# Altium PCB SerialKM.PcbDoc
Units mil, origin at the board's own origin, x right, y up, seen from the top; angles counter-clockwise.
Board outline 1140 x 525 mil, 4 copper layers (Top Layer, Layer 2, Layer 3, Bottom Layer), stack 62.667 mil thick; 41 components, 36 nets, 209 pads, 105 vias.
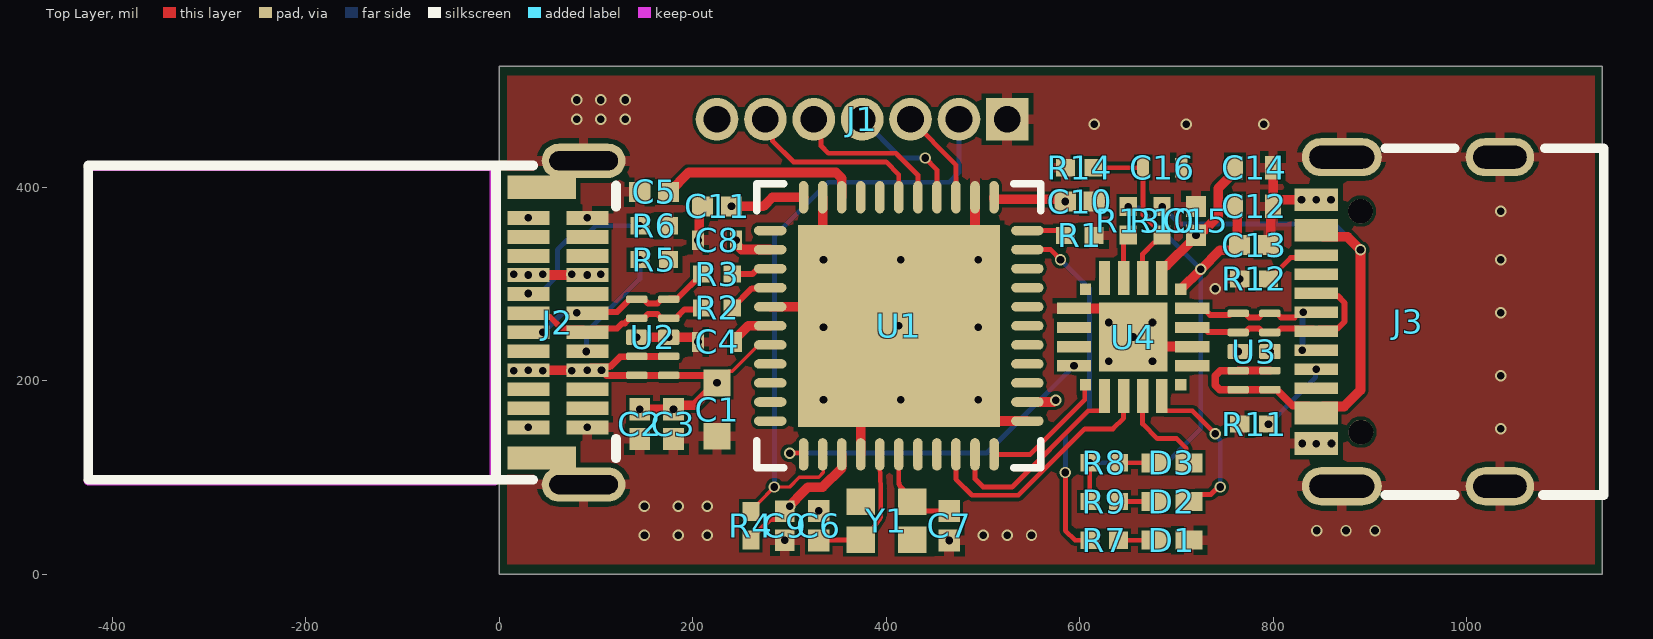
[diagram p0: Top Layer view]
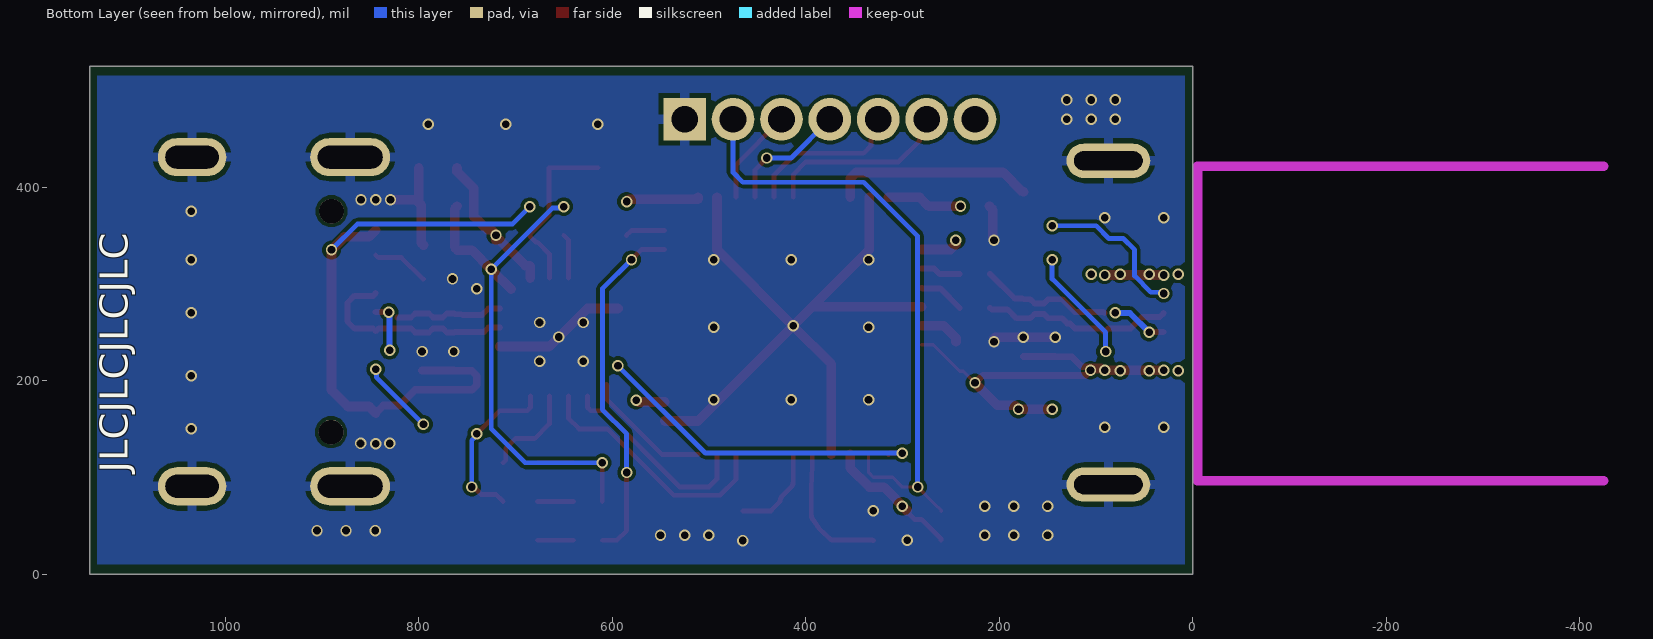
[diagram p1: Bottom Layer view, seen from below]
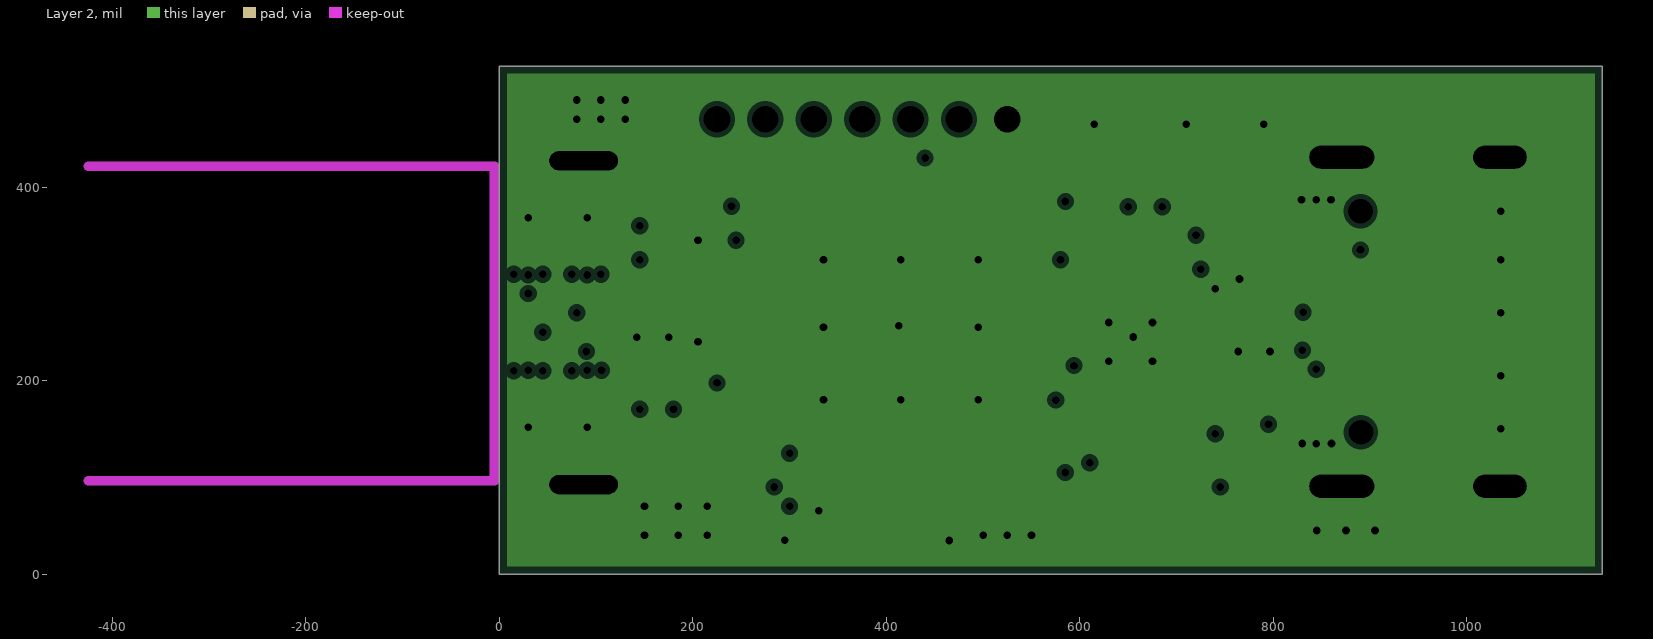
[diagram p2: Layer 2, clearances drawn from the general rule]
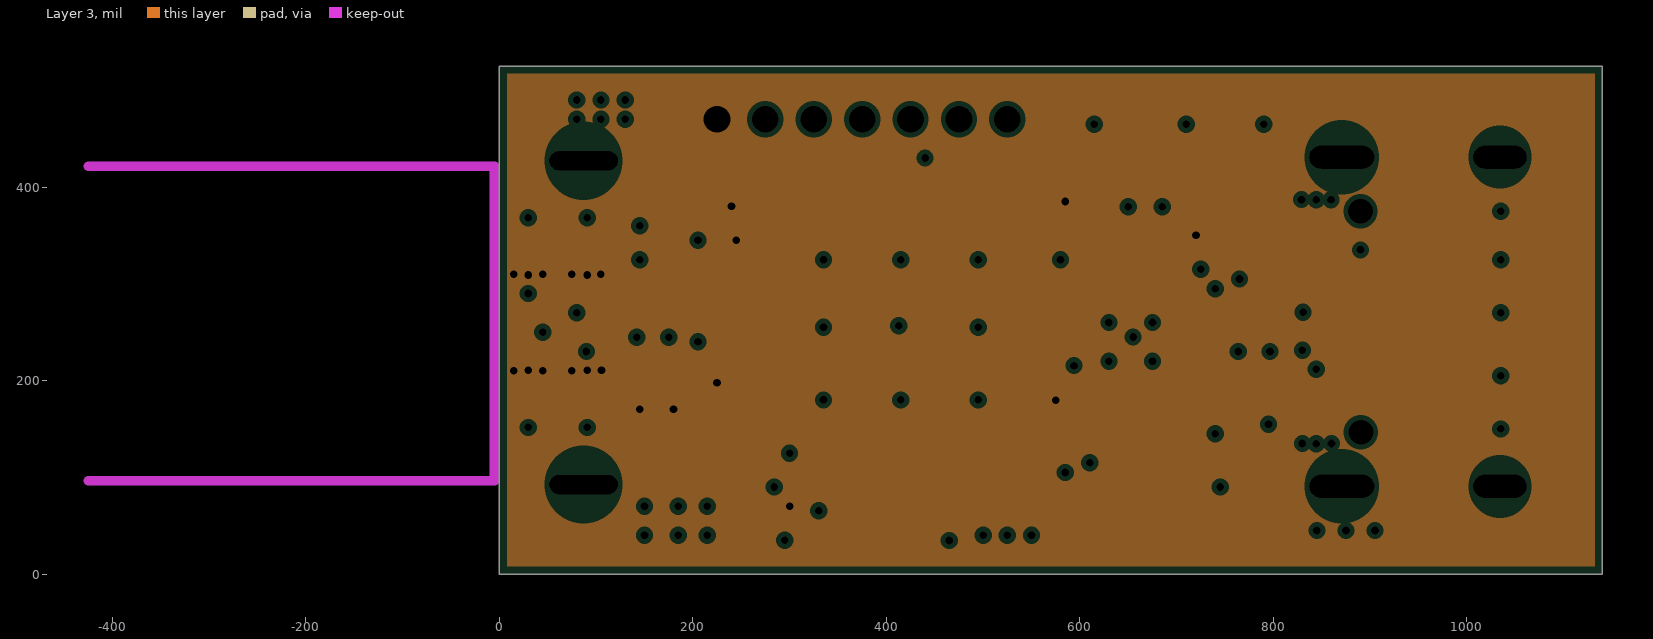
[diagram p3: Layer 3, clearances drawn from the general rule]

## Layer stack, top to bottom
Top Solder: solder mask 1.2, Solder Resist, Dk 3.8
Top Layer: signal copper 1.4
Dielectric 2: prepreg 8.28, PP-022, Dk 4.5
Layer 2: plane copper 0.689, net GND
Dielectric 1: dielectric 41.929, FR-4, Dk 4.6
Layer 3: plane copper 0.689, net VCC
Dielectric 3: prepreg 8.28, PP-022, Dk 4.5
Bottom Layer: signal copper 1.4
Bottom Solder: solder mask 1.2, Solder Resist, Dk 3.8

## Board outline
0,0 1140,0 1140,525 0,525

## Design rules (kind name [scope] priority, off if disabled: settings)
BoardOutlineClearance BoardOutlineClearance_Overlay [OnLayer('Top Overlay')] p1: gap=0 ignorepadtopadclearanceinfootprint=FALSE
BoardOutlineClearance [All] p2: gap=7.87 ignorepadtopadclearanceinfootprint=FALSE except(0: Text-OutlineEdge Text-CavityEdge Text-CutoutEdge Text-SplitBarrior Text-SplitContinuation)
Clearance [All] p1: gap=3.5 ignorepadtopadclearanceinfootprint=FALSE
DiffPairsRouting DiffPairsRouting_USB [InDifferentialPairClass('USB')] p1: maxlimit=5 minlimit=5 mostfreqgap=5 toplayer_minwidth=6.14 toplayer_maxwidth=6.14 toplayer_prefwidth=6.14 bottomlayer_minwidth=6.14 bottomlayer_maxwidth=6.14 bottomlayer_prefwidth=6.14 impedanceprofiledriven=TRUE impedanceprofileid={8E729D26-5968-4055-BA3C-BBBE10C1534A} impedanceprofilevalue=90.000000 maxuncoupledlength=500
DiffPairsRouting [All] p2: maxlimit=10 minlimit=3.5 mostfreqgap=10 toplayer_minwidth=3.5 toplayer_maxwidth=15 toplayer_prefwidth=15 bottomlayer_minwidth=3.5 bottomlayer_maxwidth=15 bottomlayer_prefwidth=15 maxuncoupledlength=500
HoleSize [All] p1: absolutevalues=TRUE maxlimit=100 minlimit=7.87 maxpercent=80.000 minpercent=20.000
HoleToHoleClearance [All] p1: gap=4 allowstackedmicrovias=TRUE
MaxMinImpedance "Schematic Impedance Constraint" [InDifferentialPairClass('USB')] p1: minimum=89.00 maximum=91.00
MinimumSolderMaskSliver [All] p1: minsoldermaskwidth=0
PlaneClearance [All] p1: clearance=5
PlaneConnect PlaneConnect_Via [IsVia] p1: planeconnectstyle=Direct reliefexpansion=20 reliefentries=4 reliefconductorwidth=10 reliefairgap=10
PlaneConnect [All] p2: planeconnectstyle=Relief reliefexpansion=20 reliefentries=4 reliefconductorwidth=10 reliefairgap=10
PolygonConnect PolygonConnect_Via [IsVia] p1: connectstyle=Direct reliefconductorwidth=10 reliefentries=4 polygonreliefangle="90 Angle" airgapwidth=10
PolygonConnect [All] p2: connectstyle=Relief reliefconductorwidth=10 reliefentries=4 polygonreliefangle="90 Angle" airgapwidth=5
RoutingVias [All] p1: holewidth=7.87 width=11.81 viastyle="Through Hole" minholewidth=7.87 minwidth=11.81 maxholewidth=28 maxwidth=50
SilkToSilkClearance [All] p1: silktosilkclearance=6
SilkToSolderMaskClearance [IsPad] p1: minsilkscreentomaskgap=3 clearancetoexposedcopper=TRUE
SolderMaskExpansion SolderMaskExpansion_Vias [IsVia] p1: expansion=4 istentingtop=TRUE
SolderMaskExpansion [All] p2: expansion=1.5 istentingtop=FALSE
Width [All] p1: maxlimit=1000 minlimit=3.5 preferedwidth=4
22 further rules are at their usual default settings.

## Classes and differential pairs
differential pair class USB: HOST_USB TGT_USB TGT_USB2
differential pair TGT_USB: +TGT_USB_P -TGT_USB_N
differential pair TGT_USB2: +TGT_USB2_P -TGT_USB2_N
differential pair HOST_USB: +HOST_USB_P -HOST_USB_N

## Components (designator, comment, footprint, x,y, rotation, side; value= is the part's Value field where it differs from the comment)
C1 "10uF 25V" FP-C1608-080-MFG 225,170 r90 top
C2 "22nF 50V" CAPC1005X56X25LL10T15 145,155 r270 top
C3 "22nF 50V" CAPC1005X56X25LL10T15 180,155 r270 top
C4 "1uF 25V" CAPC1005X55X10LL05 225,240 r0 top
C5 "100nF 25V" CAPC1005X55X30LL05T10 159.96,395 r0 top
C6 "12pF 50V" CAPC1005X61X26LL10T16 330,50 r270 top
C7 "12pF 50V" CAPC1005X61X26LL10T16 465,50 r90 top
C8 "1uF 25V" CAPC1005X55X10LL05 225,345 r180 top
C9 "100nF 25V" CAPC1005X55X30LL05T10 295,50 r90 top
C10 "100nF 25V" CAPC1005X55X30LL05T10 600,385 r180 top
C11 "100nF 25V" CAPC1005X55X30LL05T10 225,380 r0 top
C12 "4.7uF 10V" CAPC1005X70X10LL20T00 780,380 r0 top
C13 "100nF 25V" CAPC1005X55X30LL05T10 780,340 r0 top
C14 "4.7uF 10V" CAPC1005X70X10LL20T00 780,420 r180 top
C15 "100nF 25V" CAPC1005X55X30LL05T10 720,365 r270 top
C16 "1uF 25V" CAPC1005X55X10LL05 685,420 r180 top
D1 "GREEN" FP-APHHS1005CGCK-MFG 695,35 r180 top
D2 "BLUE" FP-APHHS1005CGCK-MFG 695,75 r180 top
D3 "RED" FP-APHHS1005CGCK-MFG 695,115 r180 top
J1 "NC" FP-GRPB071VWVN-RC-MFG 375,470 r180 top
J2 "TYPEC-951-ARP24" TYPEC-951-ARP24 87.09,427.16 r270 top locked
J3 "TYPEC-304-ACP16" TYPEC-304-ACP16 1016.7,264.37 r270 top locked
R1 "10KΩ" RESC1005X40X25LL05T10 600,350 r0 top
R2 "22Ω" RESC1005X40X25LL05T05 225,275 r0 top
R3 "22Ω" RESC1005X40X25LL05T05 225,310 r0 top
R4 "10KΩ" RESC1005X40X25LL05T10 260,50 r270 top
R5 "5.1KΩ" RESC1005X40X25LL05T10 160,325 r0 top
R6 "5.1KΩ" RESC1005X40X25LL05T10 160,360 r0 top
R7 "1KΩ" RESC1005X40X25LL05T10 625,35 r0 top
R8 "1KΩ" RESC1005X40X25LL05T10 625,115 r0 top
R9 "1KΩ" RESC1005X40X25LL05T10 625,75 r180 top
R10 "22KΩ" RESC1005X40X25LL05T10 685,365 r270 top
R11 "5.1KΩ" RESC1005X40X25LL05T10 780,155 r0 top
R12 "5.1KΩ" RESC1005X40X25LL05T10 780,305 r0 top
R13 "1KΩ" RESC1005X40X25LL05T10 650,365 r270 top
R14 "47KΩ" RESC1005X40X25LL05T10 600,420 r0 top
U1 "ATmega32U4-MU" 44PW_L 412.87,256.57 r0 top locked
U2 "TPD4E05U06QDQAR" FP-DQA0010A-MFG 158.56,244.68 r0 top value=0.5pF
U3 "TPD4E05U06QDQAR" FP-DQA0010A-MFG 780,230 r180 top value=0.5pF
U4 "CP2102N-A02-GQFN20R" FP-CP2102N-A02-GQFN20R-MFG 655,245 r180 top locked
Y1 "16MHz 12pF" FP-XRCGB-MFG 400,55 r0 top

## Footprints (in the part's own frame and the unit in brackets; to place one, negate y for a bottom-side part, rotate by r counter-clockwise, add the part's x,y. Pads: shape width x height; smd on the part's side, far side on the other; paste and mask are expansions set on the pad)
44PW_L [mm] "QFN, 44-Leads, Body 7x7mm, Pitch 0.5mm, Thermal Pad 5.3x5.3mm, IPC High Density"
  oval 0.85x0.25 smd: 1(-3.375,2.5) 2(-3.375,2) 3(-3.375,1.5) 4(-3.375,1) 5(-3.375,0.5) 6(-3.375,0) 7(-3.375,-0.5) 8(-3.375,-1) 9(-3.375,-1.5) 10(-3.375,-2) 11(-3.375,-2.5) 23(3.375,-2.5) 24(3.375,-2) 25(3.375,-1.5) 26(3.375,-1) 27(3.375,-0.5) 28(3.375,0) 29(3.375,0.5) 30(3.375,1) 31(3.375,1.5) 32(3.375,2) 33(3.375,2.5)
  oval 0.25x0.85 smd: 12(-2.5,-3.375) 13(-2,-3.375) 14(-1.5,-3.375) 15(-1,-3.375) 16(-0.5,-3.375) 17(0,-3.375) 18(0.5,-3.375) 19(1,-3.375) 20(1.5,-3.375) 21(2,-3.375) 22(2.5,-3.375) 34(2.5,3.375) 35(2,3.375) 36(1.5,3.375) 37(1,3.375) 38(0.5,3.375) 39(0,3.375) 40(-0.5,3.375) 41(-1,3.375) 42(-1.5,3.375) 43(-2,3.375) 44(-2.5,3.375)
  rect 5.3x5.3 smd: 45(0,0)
  silkscreen extent -3.72,-3.73 3.73,3.72, body extent -3.57,-3.57 3.57,3.57, height 0.9
CAPC1005X55X10LL05 [mm] "Chip Capacitor, 2-Leads, Body 1.05x0.55mm, IPC High Density"
  rect 0.32x0.52 smd: 1(-0.5,0) 2(0.5,0)
  body extent -0.53,-0.28 0.53,0.28, height 0.55
CAPC1005X55X30LL05T10 [mm] "Chip Capacitor, 2-Leads, Body 1.00x0.50mm, IPC High Density"
  rect 0.56x0.52 smd: 1(-0.38,0) 2(0.38,0)
  body extent -0.53,-0.28 0.53,0.28, height 0.55
CAPC1005X56X25LL10T15 [mm] "Chip Capacitor, 2-Leads, Body 1.00x0.50mm, IPC High Density"
  rect 0.58x0.54 smd: 1(-0.39,0) 2(0.39,0)
  body extent -0.55,-0.3 0.55,0.3, height 0.56
CAPC1005X61X26LL10T16 [mm] "Chip Capacitor, 2-Leads, Body 1.02x0.51mm, IPC High Density"
  rect 0.58x0.56 smd: 1(-0.39,0) 2(0.39,0)
  body extent -0.56,-0.31 0.56,0.31, height 0.61
CAPC1005X70X10LL20T00 [mm] "Chip Capacitor, 2-Leads, Body 1.00x0.50mm, IPC High Density"
  rect 0.42x0.62 smd: 1(-0.5,0) 2(0.5,0)
  body extent -0.6,-0.35 0.6,0.35, height 0.7
FP-APHHS1005CGCK-MFG [mm]
  rect 0.7x0.5 smd paste+0 mask+0: 1(-0.45,0) 2(0.45,0)
  body extent -0.9,-0.4 0.9,0.4, height 0.25
FP-C1608-080-MFG [mm]
  rect 0.7x0.7 smd paste+0 mask+0: 1(-0.7,0) 2(0.7,0)
  body extent -1.15,-0.55 1.15,0.55, height 0.25
FP-CP2102N-A02-GQFN20R-MFG [mm]
  rect 0.3x0.3 smd paste+0 mask+0: 1(-1.25,1.25) 6(-1.25,-1.25) 11(1.25,-1.25) 16(1.25,1.25)
  rect 0.9x0.3 smd paste+0 mask+0: 2(-1.55,0.75) 3(-1.55,0.25) 4(-1.55,-0.25) 5(-1.55,-0.75) 12(1.55,-0.75) 13(1.55,-0.25) 14(1.55,0.25) 15(1.55,0.75)
  rect 0.3x0.9 smd paste+0 mask+0: 7(-0.75,-1.55) 8(-0.25,-1.55) 9(0.25,-1.55) 10(0.75,-1.55) 17(0.75,1.55) 18(0.25,1.55) 19(-0.25,1.55) 20(-0.75,1.55)
  rect 1.8x1.8 smd paste-1000 mask+0: 21(0,0)
  body extent -2.1,-2.1 2.1,2.1, height 0.25
FP-DQA0010A-MFG [mm]
  rrect50% 0.565x0.2 smd paste+0 mask+0: 1(-0.417,1) 2(-0.417,0.5) 4(-0.417,-0.5) 5(-0.417,-1) 6(0.417,-1) 7(0.417,-0.5) 9(0.417,0.5) 10(0.417,1)
  rrect25% 0.565x0.4 smd paste-1000 mask+0: 3(-0.417,0) 8(0.417,0)
  body extent -0.8,-1.4 0.8,1.4, height 0.25
FP-GRPB071VWVN-RC-MFG [mm]
  rect 1.12x1.12 hole 0.7 paste-2539.97 mask+0: 1(-3.81,0)
  round 1.12 hole 0.7 paste-2539.97 mask+0: 2(-2.54,0) 3(-1.27,0) 4(0,0) 5(1.27,0) 6(2.54,0) 7(3.81,0)
FP-XRCGB-MFG [mm]
  rect 0.75x0.7 smd paste+0 mask+0: 1(-0.675,-0.5) 2(0.675,-0.5) 3(0.675,0.5) 4(-0.675,0.5)
  body extent -1.15,-0.95 1.15,0.95, height 0.25
RESC1005X40X25LL05T05 [mm] "Chip Resistor, 2-Leads, Body 1.00x0.50mm, IPC High Density"
  rect 0.45x0.45 smd: 1(-0.4,0) 2(0.4,0)
  body extent -0.53,-0.27 0.53,0.28, height 0.4
RESC1005X40X25LL05T10 [mm] "Chip Resistor, 2-Leads, Body 1.00x0.50mm, IPC High Density"
  rect 0.5x0.45 smd: 1(-0.375,0) 2(0.375,0)
  body extent -0.53,-0.27 0.53,0.28, height 0.4
TYPEC-304-ACP16 [mm]
  rect 0.6x1.15 smd paste+0 mask+0.051: A1B12(3.29,-4.378) A4B9(2.49,-4.378) B1A12(-3.11,-4.378) B4A9(-2.31,-4.378)
  rect 0.3x1.15 smd paste+0 mask+0.051: A5(1.34,-4.378) A6(0.34,-4.378) A7(-0.16,-4.378) A8(-1.16,-4.378) B5(-1.66,-4.378) B6(-0.66,-4.378) B7(0.84,-4.378) B8(1.84,-4.378)
  oval 1x2.1 hole 0.6 slot 1.7 at 90 deg paste-2539.97 mask+0.051: EP(-4.23,-3.708) EP(4.41,-3.708)
  oval 1x1.8 hole 0.6 slot 1.4 at 90 deg paste-2539.97 mask+0.051: EP(-4.23,0.442) EP(4.41,0.442)
  round 0.65 hole 0.65 unplated paste-2539.97: ""(-2.81,-3.218) ""(2.99,-3.208)
  silkscreen extent -4.46,-2.56 4.64,3.17, body extent -4.42,-4.6 4.58,3.04, height 3.23
TYPEC-951-ARP24 [mm]
  rect 0.61x1.8 smd paste-100: 25(0.695,-1.1) 25(7.805,-1.1)
  oval 0.9x2.2 hole 0.5 slot 1.8 at 90 deg paste-2539.97 mask+0.05: 26(0,0) 26(8.5,0)
  rect 0.36x1.1 smd paste-100: A1(7,0.1) A2(6.5,0.1) A3(6,0.1) A4(5.5,0.1) A5(5,0.1) A6(4.5,0.1) A7(4,0.1) A8(3.5,0.1) A9(3,0.1) A10(2.5,0.1) A11(2,0.1) A12(1.5,0.1) B1(1.5,-1.45) B2(2,-1.45) B3(2.5,-1.45) B4(3,-1.45) B5(3.5,-1.45) B6(4,-1.45) B7(4.5,-1.45) B8(5,-1.45) B9(5.5,-1.45) B10(6,-1.45) B11(6.5,-1.45) B12(7,-1.45)
  Keep-Out Layer lines w0.254: 8.397,-13.007 8.397,-2.339 0.142,-2.339 0.142,-13.007
  silkscreen extent 0.12,-13 8.38,0.85, body extent -0.1,-12.98 8.6,0.77, height 1.45

## Part data
C1: library part CMP-2000-05442-2, "CAP CER 10UF 25V X5R 0603", Capacitance=10uF, Case Code (Imperial)=0603, Case Code (Metric)=1608, Dielectric=X5R, Dielectric Material=Ceramic, Max Operating Temperature=85°C, Min Operating Temperature=-55°C, Package Quantity=1, Tolerance=20%, Voltage Rating=25V, Case/Package=0603, Construction=Flat, Depth=0.8mm, Height=0.8mm, Lead Free="Lead Free", Length=1.6mm, Mount="Surface Mount", Packaging="Tape and Reel", REACH SVHC="No SVHC", Resistor Type=Ceramic, RoHS Compliant=Yes, Series=C, Termination=SMD/SMT, Thickness=0.039inch, Voltage Rating (DC)=25V, Weight=7.1E-05oz, Width=0.8mm
C2 C3: library part CMP-2008-00029-1, Manufacturer="AVX Interconnect / Elco", Part Number=CM05X7R223K16AH.
C4 C8 C16: library part CMP-2000-05003-1, "Chip Capacitor, 1 uF, +/- 10%, 16 V, -55 to 85 degC, 0402 (1005 Metric), RoHS, Tape and Reel", Capacitance=1µF, Manufacturer=TDK, Operating Temperature=-55degC~85degC, Package / Case=0402(1005Metric), Package Description="2-Pin Surface Mount Device, Body 1 x 0.5 mm", Package Reference=402, PCN Part Number=MLCCPartNumberChange30/Nov/2012, Ratings=-, Standard Package=1, Temperature Coefficient=X5R, Tolerance=±10%, Voltage - Rated=16V, Applications=GeneralPurpose, Category=Capacitors, Datasheet URL=https://datasheet.ciiva.com/14482/1756136-14482760.pdf, Datasheet Version=Oct-13, Family=CeramicCapacitors, Features=-, Height - Seated (Max)=-, Lead Spacing=-, Lead Style=-, Manufacturer URL=http://www.tdk.com/, Mounting Type=SurfaceMount,MLCC, Online Catalog=CSeries,GeneralPurpose, Other Names=445-4978-6, Packaging=Digi-Reel, Product Training Modules=CSeriesGeneralApplicationsSEAT,CCV,andTVCLDesignToolsGuidetoReplacinganElectrolyticCapacitorwithanMLCC, RoHS Information=RoHSCertificate-MLCC, Series=C, Size / Dimension="0.039\"Lx0.020\"W(1.00mmx0.50mm)", Thickness (Max)="0.022\"(0.55mm)"
C5 C9 C10 C11 C13 C15: library part CMP-0001-00074-2, Manufacturer=Kemet, Part Number=C0402C104K4RACTU
C6 C7: library part CMP-2008-01992-1, Manufacturer=Vitramon, Part Number=VJ0402D120JXCAJ
C12 C14: library part CMP-2008-00074-1, Manufacturer="AVX Interconnect / Elco", Part Number=TACK475M003QTA
D1 D2 D3: library part CMP-44529-000044-1, "LED CLEAR CHIP SMD", Case Code (Imperial)=0402, Case Code (Metric)=1005, Color=Green, Forward Current=20mA, Forward Voltage=2.1V, Lens Color=Clear, Max Operating Temperature=85°C, Min Operating Temperature=-40°C, Package Quantity=2000, Case/Package=0402, Dominant Wavelength=570nm, Height=0.6mm, Illumination Color=Green, Lead Free="Lead Free", Length=1mm, Lens Style=Clear, Luminous Intensity=50mcd, Mount="Surface Mount", Number of LEDs=1, Number of Pins=2, Packaging="Tape and Reel", Test Current=20mA, Viewing Angle=120°, Wavelength=570nm, Width=0.5mm
J1: library part CMP-25680-000036-1, "Debug header", Package Quantity=1, Connector Type="Male Pin", Contact Mating Length=0.118inch, Contact Plating=Gold, Contact Type="Male Pin", Lead Free="Lead Free", Mount="Through Hole", Number of Positions=7, Number of Rows=1, Packaging=Bulk, Pitch=0.05inch, RoHS Compliant=Yes, Termination=Solder
J2: "Xunpu TYPEC-951-ARP24 USB Type-C Male Connector SMD", Supplier Part Number 1=C2856663, Supplier 1=LCSC
J3: "Xunpu TYPEC-304-ACP16 USB Type-C  Socket 16P SMD", Supplier Part Number 1=C2982555, Supplier 1=LCSC
R1 R4 R5 R6 R7 R8 R9 R10 R11 R12 R13 R14: library part CMP-2002-07753-1, Manufacturer="Yageo / Phycomp", Part Number=RC0402FR-075K1L
R2 R3: library part CMP-2002-08382-1, Manufacturer="Vishay Dale", Part Number=CRCW040222R0FKED
U1: library part CMP-0095-00166-2, "8-bit AVR Microcontroller, 2.7-5.5V, 16MHz, 32KB Flash, 1KB EEPROM, 2.5KB SRAM, USB Controller, 44-pin QFN, Industrial Grade (-40°C to 85°C), Ext Osc", Code_JEDEC=MO-220-VKKD-1, ComponentLink1Description="Manufacturer URL", ComponentLink1URL=http://www.atmel.com/, ComponentLink2Description="ATmega16U4/32U4 Datasheet", ComponentLink2URL=http://www.atmel.com/dyn/resources/prod_documents/doc7766.pdf, ComponentLink3Description="ATmega16U4 ATmega32U4 Summary", ComponentLink3URL=http://www.atmel.com/dyn/resources/prod_documents/7766S.pdf, DatasheetVersion="revF, Nov-2010", PackageDescription="44-Pin Quad Flat No-Lead Package, 7 x 7 mm Body, 0.5 mm Pitch (QFN)", PackageReference=44PW, PackageVersion="revG, Sep-2009", RevisionNote="DatasheetVersion, PackageVersion & PCB updated. URLs added."
U2 U3: library part CMP-04985-000004-1, "TVS DIODE 5.5V 14V 10USON", Ambient Temperature Range High=+125°C, Ambient Temperature Range Low=-40°C, Breakdown Voltage=6.4V, Capacitance=0.5pF, Clamping Voltage=14V, Manufacturer="Texas Instruments", Manufacturer Part Number=TPD4E05U06QDQARQ1, Operating Supply Voltage=5.5V, Package=DQA0010A, Peak Pulse Current=2.5A, Peak Pulse Power=2.5W, Temperature="-40°C to +125°C", Automotive=Yes, Automotive Grade="Grade 1", Category=IC, ComponentLink2Description=Datasheet, ComponentLink2URL=http://www.ti.com/lit/ds/symlink/tpd4e05u06-q1.pdf, Device Class L1="Circuit Protection", Device Class L2="ESD and Circuit Protection ICs", Device Class L3=unset, Digikey Description="TVS DIODE 5.5V 14V 10USON", Direction=Unidirectional, Height=0.55mm, Interface=USB,Ethernet,LVDS,Other, Lead Free=Yes, Mouser Description="Automotive 4-Channel ESD Protection Solution for SuperSpeed (up to 5 Gbps) Interface 10-USON -40 to 125", Number Of Channels=4, Octopart=https://octopart.com/tpd4e05u06qdqarq1-texas+instruments-48523459, Reverse Standoff Voltage=5.5V, RoHS=TRUE, Standoff Height=0mm, Temperature Range High=+125°C, Temperature Range Low=-40°C
U4: library part CMP-08107-000007-1, "IC USB TO UART BRIDGE QFN20"
Y1: library part CMP-06054-000003-2, "CRYSTAL 16.0000MHZ", Case/Package=SMD/SMT, ESR (Equivalent Series Resistance)=150R, Frequency=27MHz, Frequency Stability=20ppm, Load Capacitance=6pF, Max Operating Temperature=85°C, Min Operating Temperature=-30°C, Package Quantity=3000, Frequency Tolerance=20ppm, Height=0.028inch, Length=2mm, Mount="Surface Mount", Number of Pins=3, Packaging="Tape and Reel", REACH SVHC="No SVHC", Series Resistance=150R, Termination=SMD/SMT, Tolerance=20ppm, Width=1.6mm

## Via types
v1: diameter 11.81, hole 7.87, Top Layer to Bottom Layer, tented both sides, 105 vias

## Nets (pads, with @x,y where several pads share a name; then routed paths per layer and width w, separated by ;. In a path a pad name is that pad's centre, name@x,y a point inside that pad or via, vN(x,y) a via of type N, cw(c..) or ccw(c..) an arc to the next point about the centre after c; other vN are vias at no path point)
GND: C1.1 C2.2 C3.2 C4.1 C5.1 C6.1 C7.1 C8.2 C9.1 C10.1 C11.1 C12.2 C13.2 C14.1 C15.1 C16.1 D1.1 J1.1 J2.25 J2.26 J2.A1 J2.A12 J2.B1 J2.B12 J3.A1B12 J3.B1A12 J3.EP R1.2 R5.2 R6.2 R11.1 R12.1 R14.1 U1.5 U1.15 U1.23 U1.35 U1.43 U1.45 U2.3 U2.8 U3.3 U3.8 U4.3 U4.12 U4.21 | length 1122.4
  Top Layer w10: v1(142.13,244.68) v1(175,244.68) 204.02,244.68 205.32,243.39 v1(205.32,240) ; v1(205.31,345) 206.61,346.3 206.61,376.57 C11.1 ; U1.5 U1.45@393.19,276.26 ; U1.43 334.13,335.31 U1.45@393.19,276.26 ; U1.15 373.5,217.2 v1(412.87,256.57) ; U1.35 491.61,335.32 v1(412.87,256.57) ; U1.23 511.3,158.15 v1(412.87,256.57) ; U4.12 625.47,274.53 v1(655,245) 664.84,235.16 U4.3 ; v1(765,305) R12.1 ; C13.2 797.32,342.36 797.32,381.39 C12.2@799.68,383.75 ; C14.1 C12.2@799.68,383.75 ; v1(829.08,387.02) 802.95,387.02 C12.2@799.68,383.75 ; U1.45@393.19,276.26 v1(412.87,256.57)
  other v1: 295,35.04 465,34.65 150,40 185,40 215,40 500,40 525,40 550,40 845,45 875,45 905,45 330,65.35 150,70 185,70 215,70 830,135 844.34,134.83 860,135 1035,150 30,151.58 91.02,151.58 335,180 415,180 495,180 1035,205 630,220 675,220 763.56,230 796.44,230 335,255 495,255 630,260 675,260 1035,270 740,295 335,325 415,325 495,325 1035,325 30,368.11 91.02,368.11 1035,375 844.34,386.8 859.53,386.96 615,465 710,465 790,465 80,470 105,470 130,470 80,490 105,490 130,490
HOST_USB_N: J3.A7 J3.B7 U3.5 U3.6 U4.5 | length 168.3
  Top Layer w6.14: U4.5 727.83,274.53 734.68,267.68 754.69,267.68 755.51,268.5 762.7,268.5 U3.6 770.75,269.37 775.02,265.1 784.98,265.1 789.25,269.37 U3.5 803.62,269.37 807.89,265.1 J3.A7@822.05,265.1 ; v1(830.66,270.66) J3.A7
  Bottom Layer w6.14: v1(829.99,231.23) 829.99,269.99 v1(830.66,270.66)
HOST_USB_P: J3.A6 J3.B6 U3.4 U3.7 U4.4 | length 223.1
  Top Layer w6.14: U4.4 727.83,254.84 732.54,250.14 763.11,250.14 U3.7 770.75,249.68 775.02,253.96 784.98,253.96 789.25,249.68 U3.4 803.62,249.68 807.89,253.96 820,253.96 820.15,253.8 841.51,253.8 J3.A6 847.17,253.8 866.4,253.8 873.55,260.95 873.55,280.36 866.4,287.51 847.17,287.51 J3.B6
HOST_VBUS: J3.A4B9 J3.B4A9 R10.1 U3.1 U3.2 U3.9 U3.10 | length 662.7
  Top Layer w8: U3.2 U3.9 763.5,210.25 745.25,210.25 740,205 740,195.32 744.69,190.63 U3.10 U3.1 803.5,190.63 819.98,174.14 836.53,174.14 J3.A4B9
  Top Layer w10: J3.A4B9 851.15,173.14 873.14,173.14 890,190 v1(890,335) 876.51,348.49 851.15,348.49 J3.B4A9
  Bottom Layer w5: v1(685,379.76) 702.82,361.94 863.06,361.94 v1(890,335)
JTAG_TCK: J1.6 U1.39 | length 193.7
  Top Layer w5: J1.6 282.48,462.52 282.48,447.52 304.03,425.97 399.77,425.97 412.87,412.87 U1.39
JTAG_TDI: J1.3 U1.36 | length 100
  Top Layer w5: J1.3 471.93,423.07 U1.36
JTAG_TDO: J1.4 U1.37 | length 127.2
  Top Layer w5: v1(440,430) 452.24,417.76 U1.37
  Bottom Layer w5: J1.4 415,430 v1(440,430)
JTAG_TMS: J1.5 U1.38 | length 166.1
  Top Layer w5: J1.5 332.48,462.52 332.48,442.52 340,435 410,435 432.56,412.44 U1.38
MCU_CTS: U1.22 U4.16 | length 133.1
  Top Layer w5: U1.22 548.7,123.7 605,180 605,195 U4.16
MCU_RTS: U1.12 U4.15 | length 346.4
  Top Layer w5: v1(300,125) 313.15,125 U1.12
  Bottom Layer w5: v1(300,125) 503.5,125 v1(593.98,215.47)
MCU_RXD: U1.20 U4.18 | length 261.6
  Top Layer w5: U1.20 471.93,98.07 488.5,81.5 536.5,81.5 605,150 634.13,150 645.16,161.03 U4.18
MCU_TXD: U1.21 U4.17 | length 208.5
  Top Layer w5: U1.21 491.61,98.39 500,90 530,90 608.76,168.76 622.07,168.76 625.47,172.17 U4.17
NetC4_2: C4.2 U1.6 | length 44.5
  Top Layer w10: C4.2 244.69,243.94 257.24,256.5 279.92,256.5 U1.6
NetC5_2: C5.2 U1.42 | length 209.3
  Top Layer w10: C5.2 175.71,395 195.68,414.97 347.96,414.97 353.82,409.12 U1.42
NetD1_2: D1.2 R7.2 | length 37.5
  Top Layer w5: R7.2 D1.2
NetD2_1: D2.1 U4.20 | length 174.1
  Top Layer w5: U4.20 684.53,172.17 687.93,168.76 716.24,168.76 v1(740,145) ; D2.1 720.06,82.34 735.5,82.34 743.16,90 v1(745,90)
  Bottom Layer w5: v1(740,145) 740,143.16 745,138.16 v1(745,90)
NetD2_2: D2.2 R9.1 | length 37.5
  Top Layer w5: R9.1 D2.2
NetD3_1: D3.1 U4.19 | length 100.5
  Top Layer w5: U4.19 664.84,155.16 680,140 700,140 710,130 710,117.72 D3.1
NetD3_2: D3.2 R8.2 | length 37.5
  Top Layer w5: R8.2 D3.2
NetJ2_A5: J2.A5 R5.1 | length 119
  Top Layer w5: v1(90,230) 90.32,230.32 J2.A5
  Bottom Layer w5: v1(90,230) 90,249.88 145.24,305.12 v1(145.24,325)
NetJ2_B5: J2.B5 R6.1 | length 160.6
  Top Layer w5: J2.B5 v1(30,290)
  Bottom Layer w5: v1(30,290) 31.3,291.3 43.14,291.3 60,308.16 60,335 71.85,346.85 86.6,346.85 99.75,360 v1(145.24,360)
NetJ3_A5: J3.A5 R11.2 | length 77.6
  Top Layer w5: R11.2 v1(795,154.76)
  Bottom Layer w5: v1(795,154.76) 843.61,203.37 843.61,210.87 v1(844.34,211.6)
NetJ3_B5: J3.B5 R12.2 | length 59.8
  Top Layer w5: R12.2 795.75,305 817.82,327.08 841.71,327.08 J3.B5
NetR1_1: R1.1 U1.33 | length 41.6
  Top Layer w5: U1.33 580.24,355 R1.1
NetR13_2: R13.2 U4.9 | length 46.2
  Top Layer w5: U4.9 645.16,345.39 R13.2
RESET: J1.2 R4.1 U1.13 | length 643.5
  Top Layer w3.5: R4.1 260,65.75 267.11,72.86 v1(284.25,90) 300,90 310,100 330,100 335,105 335,122.83 U1.13
  Bottom Layer w5: v1(284.25,90) 284.25,349.25 340,405 465,405 475,415 J1.2
STAT_LED: R7.1 U1.32 | length 370.7
  Top Layer w5: U1.32 569.69,335.31 v1(580,325) ; v1(585,105) 585,45 595,35 R7.1
  Bottom Layer w5: v1(580,325) 610,295 610,170 585,145 v1(585,105)
TGT_USB2_N: R3.2 U1.3 | length 41.6
  Top Layer w6.14: R3.2 261.56,310 267.19,315.63 U1.3
TGT_USB2_P: R2.2 U1.4 | length 47.9
  Top Layer w6.14: R2.2 260.99,295.24 279.29,295.24 U1.4
TGT_USB_N: J2.A7 J2.B7 R3.1 U2.1 U2.10 | length 196.7
  Top Layer w6.14: J2.B7 v1(45,250) ; J2.A7 92.34,271.01 121.89,271.01 134.94,284.06 U2.1 149.31,284.06 153.58,279.78 163.54,279.78 167.81,284.06 U2.10 175.87,284.92 184.17,284.92 R3.1
  Bottom Layer w6.14: v1(45,250) 64.88,269.88 79.88,269.88 v1(80,270)
TGT_USB_P: J2.A6 J2.B6 R2.1 U2.2 U2.9 | length 201.3
  Top Layer w6.14: J2.B6 34.02,265.67 52.36,265.67 64.02,254.02 87.01,254.02 J2.A6 95.04,254.02 121.89,254.02 127.01,259.13 129.7,259.13 134.94,264.37 U2.2 149.31,264.37 153.58,268.64 163.54,268.64 167.81,264.37 U2.9 182.19,264.37 191.18,273.36 207.62,273.36 R2.1
VBUS_SENSE: C16.2 R10.2 R14.2 U4.8 | length 182
  Top Layer w5: R14.2 C16.2 665.31,370.91 685,351.22 R10.2 685,349.25 678.64,342.89 676.91,342.89 664.84,330.83 U4.8
VCC: C1.2 C2.1 C3.1 C8.1 C9.2 C10.2 C11.2 C14.2 C15.2 J1.7 J2.A4 J2.A9 J2.B4 J2.B9 R4.2 U1.2 U1.7 U1.14 U1.24 U1.34 U1.44 U2.4 U2.5 U2.6 U2.7 U4.7 | length 1043.1
  Top Layer w3.5: v1(225,197.56) 237.03,209.59 240.89,209.59 268.19,236.89 U1.7
  Top Layer w5: R4.2 260,36.22 280.22,56.44 287.26,56.44 295,64.17 C9.2
  Top Layer w7: U2.7 U2.4 141.69,224.56 124.56,224.56 114.22,214.22 94.61,214.22 v1(91.02,210.63) v1(105.59,210.63) 110.91,205.31 U2.5 U2.6 217.24,205.31 v1(225,197.56)
  Top Layer w10: v1(30,210.63) v1(91.02,210.63) ; v1(30,309.06) 45,309.06 45.94,310 45.94,309.76 46.65,309.06 74.37,309.06 75,309.68 v1(75,310) 75.94,309.06 v1(91.02,309.06) ; v1(145,170.35) v1(180,170.35) 184.28,174.64 202.08,174.64 v1(225,197.56) ; v1(239.96,380) 272.83,380 282.28,389.45 U1.44 ; v1(244.68,345) 244.68,341.06 250.35,335.39 279.92,335.39 U1.2 ; C9.2 295,65.75 319,89.75 334.25,89.75 353.74,109.24 353.74,123.62 U1.14 ; C9.2 v1(300,70) ; U1.34 511.3,387.3 511.38,387.22 582.81,387.22 v1(585.04,385) ; U1.24 572.69,177.83 574.68,179.83 v1(575.17,179.83) ; U4.7 684.53,317.83 685.43,318.74 689.49,318.74 715.75,345 720,345 v1(720,350.04) 720,350.83 725.24,356.06 729.38,356.06 742.9,369.59 742.9,398.65 760.31,416.06 C14.2
  other v1: 15,210 45,210 75,210 15,310 45,310 105,310
VCC_3V3: C12.1 C13.1 R8.1 R9.2 R13.1 U4.6 | length 555.9
  Top Layer w5: R9.2 v1(610.24,115)
  Top Layer w10: U4.6 v1(725,315) 744.76,334.76 759.8,334.76 762.68,337.64 762.68,377.64 C12.1
  Bottom Layer w5: v1(610.24,115) 690,115 725,150 v1(725,315) 661.54,378.46 651.3,378.46 v1(650,379.76)
XTAL1: C7.2 U1.17 Y1.3 | length 96.3
  Top Layer w5: U1.17 412.87,95.13 ccw(c420.13,95.13) 414.99,90.01 423.93,81.07 cw(c417.55,74.68) Y1.3 435.91,65.35 C7.2
XTAL2: C6.2 U1.16 Y1.1 | length 139.9
  Top Layer w5: C6.2 cw(c331.62,33.03) 331.62,35.32 Y1.1 385.69,46.59 393.15,57.52 ccw(c388.19,60.91) 394.19,60.91 394.19,88.46 ccw(c388.19,88.46) 394.18,88.72 393.19,111.89 U1.16
pads on no net: J2.A2 J2.A3 J2.A8 J2.A10 J2.A11 J2.B2 J2.B3 J2.B8 J2.B10 J2.B11 J3. J3.A8 J3.B8 U1.1 U1.8 U1.9 U1.10 U1.11 U1.18 U1.19 U1.25 U1.26 U1.27 U1.28 U1.29 U1.30 U1.31 U1.40 U1.41 U4.1 U4.2 U4.10 U4.11 U4.13 U4.14 Y1.2 Y1.4

## Polygon pours and split planes (outlines as drawn)
GND on Bottom Layer "BOTTOM_GND_POUR" (solid, remove dead copper, pour order 0): 0,515 1140,515 1140,10 0,10
GND on Top Layer "TOP_GND_POUR" (solid, remove dead copper, pour order 1): 0,515 1140,515 1140,10 0,10
VCC on Layer 3 (split plane): 1132.06,7.94 7.94,7.94 7.94,517.06 1132.06,517.06
GND on Layer 2 (split plane): 1132.06,7.94 7.94,7.94 7.94,517.06 1132.06,517.06

## Silkscreen, mask and mechanical layers (free items; w line width, h text height)
Bottom Overlay:
  text "JLCJLCJLCJLC" at 1090.54,104.94 h50 r270
Top Solder:
  text "SerialKM" at 585,450.7 h65
  text "TX" at 755,100 h40
  text "RX" at 755.02,65 h40
  text "v1.0.0" at 35,30.43 h40
  text "STAT" at 755,25.43 h40
Bottom Solder:
  text "Serial / KM" at 567.93,180 h100
  text "Designed by CSR © 2024" at 809.98,29.4 h50